# Altium PCB PCB_3U_DAC.PCBDOC (part 9 of 9)
Units mm, origin at the board's own origin, x right, y up, seen from the top; angles counter-clockwise.
Board outline 186.91 x 200.1 mm, 4 copper layers (TopLayer, Internal Plane 2, Signal Layer 1, BottomLayer), stack 1.563 mm thick; 822 components, 563 nets, 2611 pads, 820 vias.
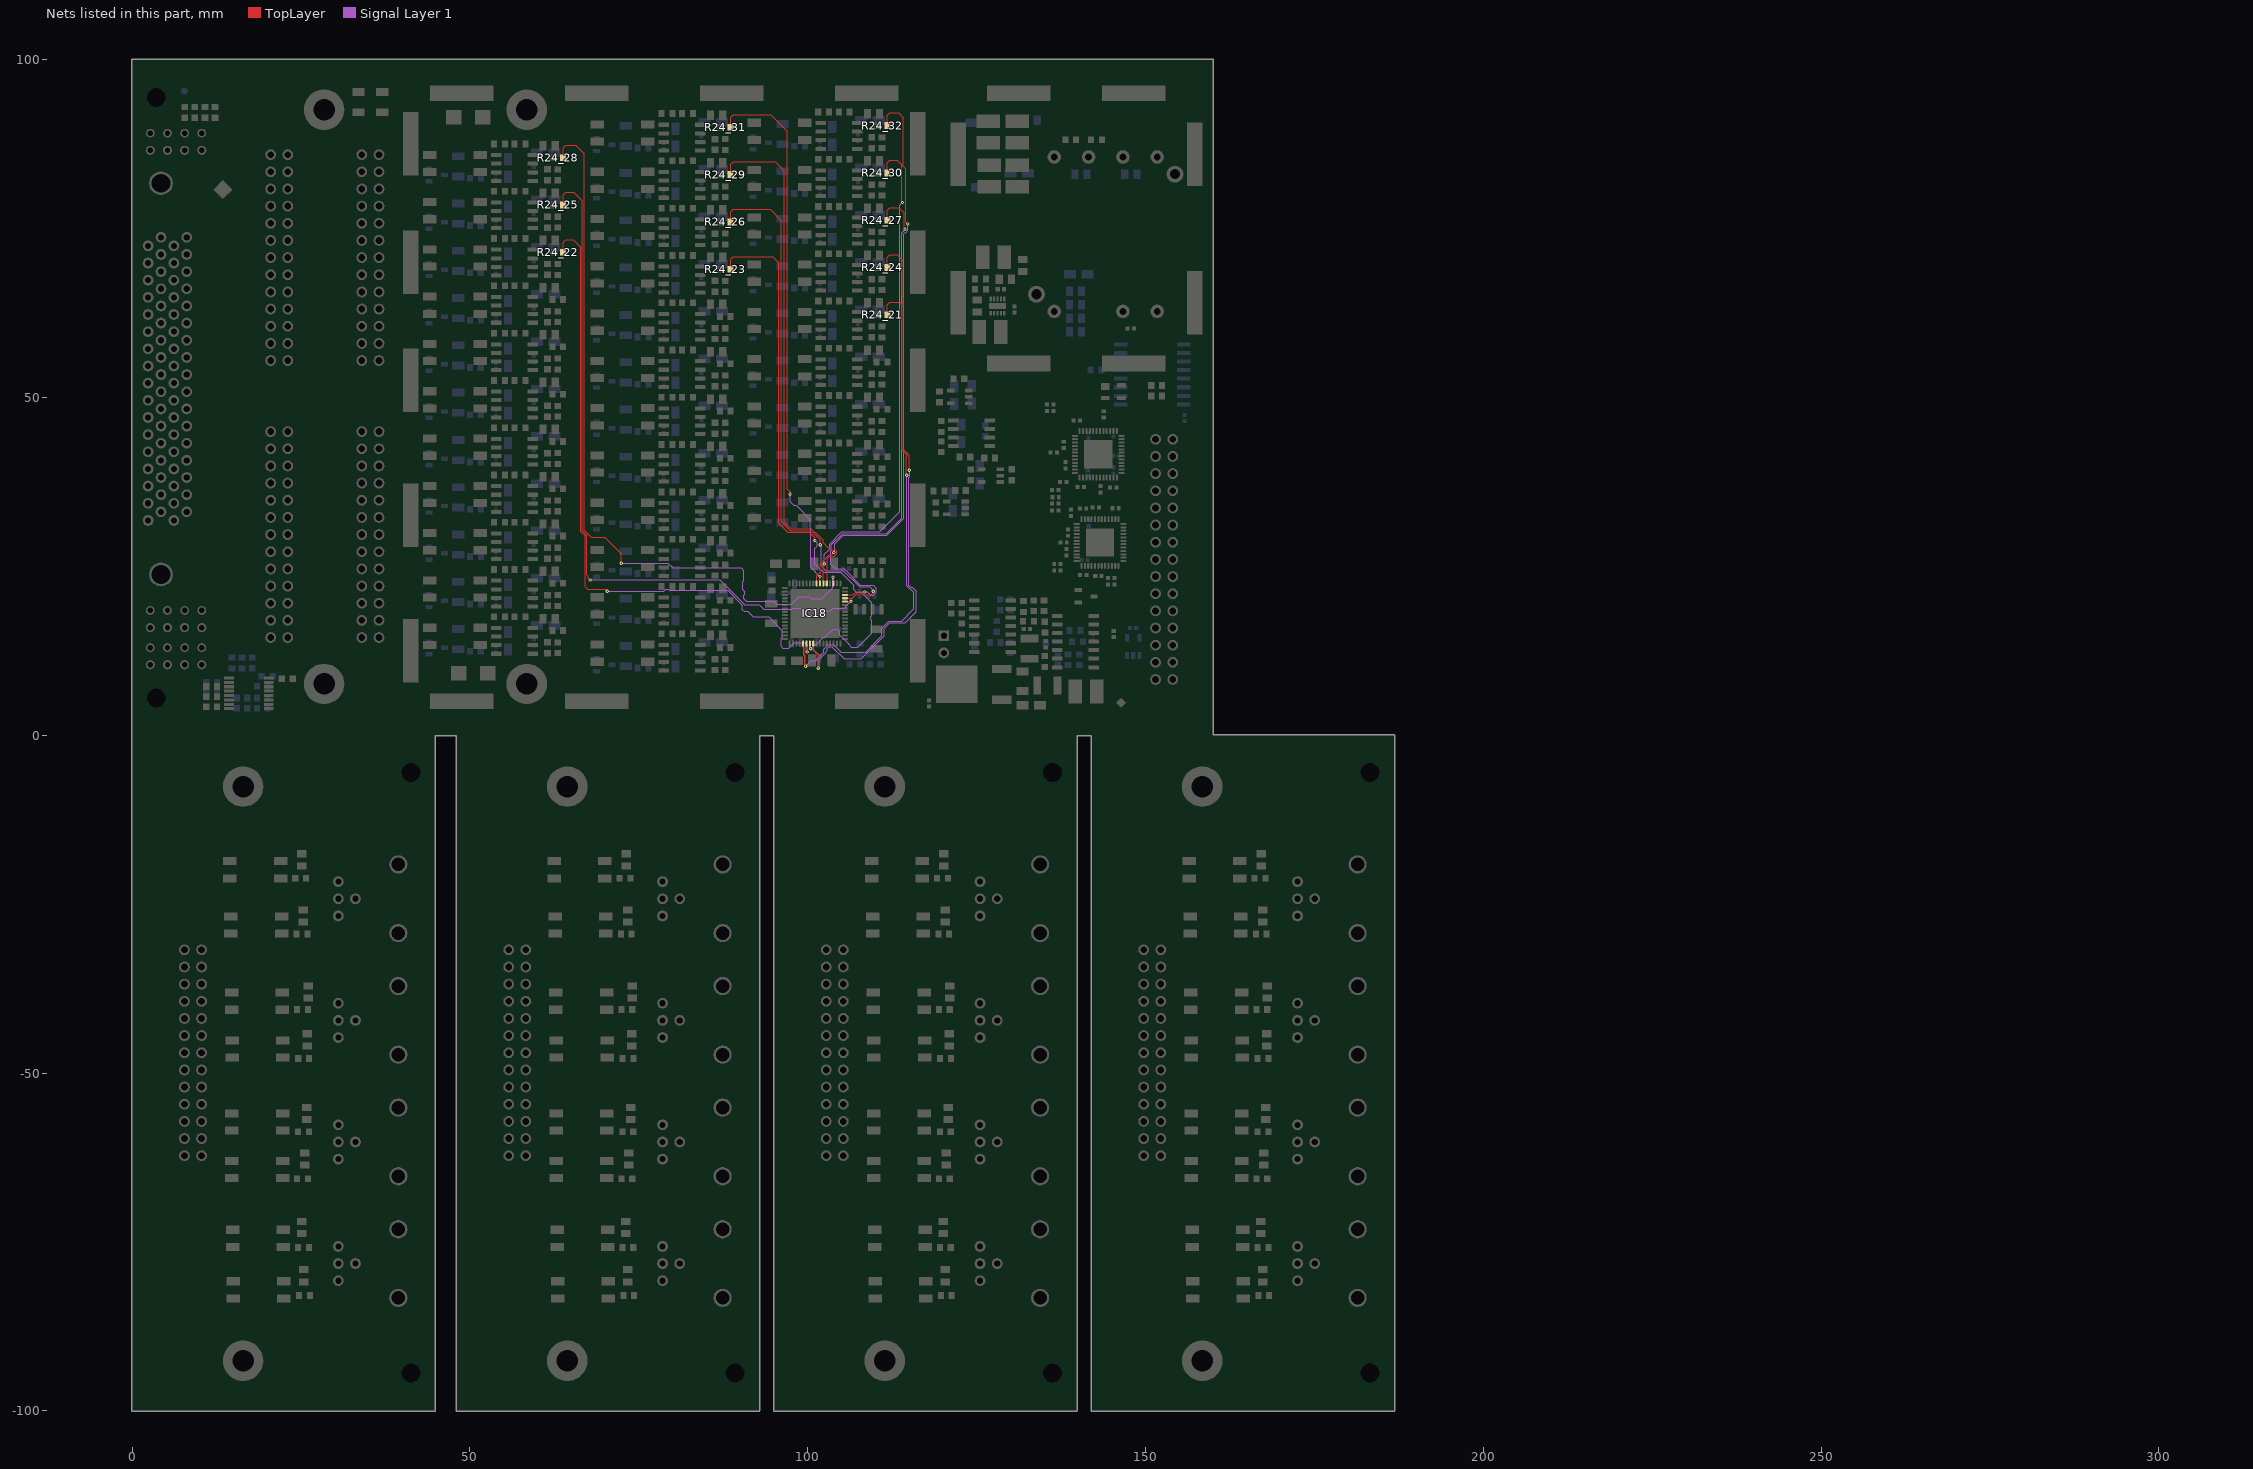
[diagram p11: the nets of this part, all layers, seen from the top]

## Via types
v1: diameter 0.5, hole 0.2, TopLayer to BottomLayer, tented both sides, 685 vias
v2: diameter 0.6, hole 0.3, TopLayer to BottomLayer, tented both sides, 105 vias
v3: diameter 1, hole 0.5, TopLayer to BottomLayer, tented both sides, 21 vias
v4: diameter 1, hole 0.6, TopLayer to BottomLayer, tented both sides, 9 vias

## Nets (pads, with @x,y where several pads share a name; then routed paths per layer and width w, separated by ;. In a path a pad name is that pad's centre, name@x,y a point inside that pad or via, vN(x,y) a via of type N, cw(c..) or ccw(c..) an arc to the next point about the centre after c; other vN are vias at no path point) (continued)
VOUT21: IC18.37 R24_21.1 | length 74.8
  TopLayer w0.127: R24_21.1@111.792,62.244 111.792,63.745 112.166,64.119 ; 112.166,64.119 113.649,64.119 113.89,63.878 113.89,42.262 114.652,41.5 114.652,41.217 114.592,41.157 114.592,38.538 v1(114.652,38.478)
  TopLayer w0.203: IC18.37@99.313,13.581 99.313,13.128 99.387,13.054 99.418,13.022 99.418,12.626 99.396,12.604 99.396,11.924 99.554,11.766 99.554,10.361 v1(99.677,10.239)
  Signal Layer 1 w0.127: v1(99.677,10.239) 100.484,11.046 101.134,11.046 102.392,12.304 102.392,12.723 103.061,13.392 103.837,13.392 104.935,12.293 108.555,12.293 110.969,14.707 110.969,15.872 111.985,16.888 113.89,16.888 115.727,18.726 115.727,21.135 115.207,21.655 115.126,21.655 114.652,22.129 v1(114.652,38.478)
VOUT22: IC18.38 R24_22.1 | length 97.3
  TopLayer w0.127: R24_22.1@63.792,71.494 63.792,72.995 64.166,73.369 65.283,73.369 66.392,72.26 66.392,30.159 67.027,29.524 67.027,21.968 67.408,21.587 70.075,21.587 v1(70.329,21.333) ; IC18.38@99.813,13.581 99.813,12.296 99.84,12.323 v1(99.912,12.323)
  Signal Layer 1 w0.127: v1(70.329,21.333) 78.689,21.333 79.004,21.649 79.369,21.649 79.63,21.388 79.68,21.438 88.135,21.438 90.335,19.238 90.335,18.611 90.593,18.353 91.101,18.353 91.931,17.523 94.205,17.523 96.237,15.491 96.237,14.48 96.05,14.294 96.05,13.172 96.308,12.913 97.2,12.913 98,13.713 99.539,13.713 99.912,13.34 v1(99.912,12.323) v1@99.793,12.442
VOUT23: IC18.39 R24_23.1 | length 87.5
  TopLayer w0.127: R24_23.1@88.592,68.994 88.592,70.495 88.966,70.869 94.834,70.869 95.729,69.974 95.729,31.366 97.043,30.052 100.207,30.052 100.711,29.548 100.849,29.548 101.063,29.334 v1(101.063,28.826)
  TopLayer w0.203: IC18.39@100.313,13.581 100.313,12.709 v1(100.428,12.824)
  Signal Layer 1 w0.127: v1(100.428,12.824) 100.995,13.392 101.231,13.392 102.247,14.408 102.463,14.408 103.777,15.722 104.349,15.722 104.753,15.317 104.753,14.837 106.055,13.534 106.055,13.462 106.462,13.055 107.39,13.055 109.445,15.11 109.445,17.072 109.309,17.207 109.309,17.572 109.445,17.707 109.445,19.606 108.285,20.766 108.246,20.766 107.861,21.151 107.214,21.151 106.778,21.587 106.778,22.222 104.873,24.127 102.291,24.127 101.063,25.355 101.063,27.695 101.376,28.009 101.376,28.513 v1(101.063,28.826)
VOUT24: IC18.40 R24_24.1 | length 82.5
  TopLayer w0.127: IC18.40@100.813,13.581 100.868,13.526 100.868,12.596 100.906,12.558 ; R24_24.1@111.792,69.244 111.792,70.745 112.166,71.119 ; 112.166,71.119 113.253,71.119 114.017,70.355 114.017,64.894 114.144,64.767 114.144,42.367 115.033,41.478 v1(115.033,39.24)
  TopLayer w0.203: 100.906,12.558 101.245,12.219 101.287,12.219 101.684,11.822 101.684,10.044 101.584,9.945 v1(101.535,9.945)
  Signal Layer 1 w0.127: v1(101.535,9.945) 101.535,11.088 102.646,12.199 102.646,12.316 102.908,12.578 102.908,12.88 103.166,13.138 103.531,13.138 105.368,11.3 107.921,11.3 111.35,14.729 111.35,15.872 112.112,16.634 114.398,16.634 116.049,18.285 116.049,21.333 115.473,21.909 115.231,21.909 114.973,22.167 114.973,38.177 115.092,38.296 115.092,39.181 v1(115.033,39.24)
VOUT25: IC18.60 R24_25.1 | length 103.7
  TopLayer w0.127: R24_25.1@63.792,78.494 63.792,79.995 64.166,80.369 65.395,80.369 66.646,79.118 66.646,30.264 67.281,29.629 67.281,23.746 67.535,23.492 67.535,23.238 v1(67.789,22.984) ; IC18.60@105.513,19.781 106.369,19.781 v1(106.397,19.809)
  Signal Layer 1 w0.127: v1(67.789,22.984) 86.995,22.984 90.683,19.297 92.814,19.297 93.457,18.653 97.617,18.653 97.757,18.793 101.593,18.793 101.986,18.399 103.332,18.399 103.726,18.793 105.381,18.793 v1(106.397,19.809)
VOUT26: IC18.61 R24_26.1 | length 79.6
  TopLayer w0.127: R24_26.1@88.592,75.994 88.592,77.495 88.966,77.869 94.438,77.869 96.11,76.197 96.11,31.642 97.445,30.306 100.378,30.306 100.883,29.802 100.954,29.802 101.825,28.931 v1(101.825,28.191) ; IC18.61@105.513,20.281 106.615,20.281 107.286,20.952 108.06,20.952 108.246,20.766 109.385,20.766 109.699,21.079 v1(109.699,21.333)
  Signal Layer 1 w0.127: v1(101.825,28.191) 102.019,27.997 102.019,25.062 102.7,24.381 105.275,24.381 107.688,21.968 109.191,21.968 109.826,21.333 v1(109.699,21.333)
VOUT27: IC18.62 R24_27.1 | length 78.9
  TopLayer w0.127: IC18.62@105.513,20.781 106.755,20.781 107.18,21.206 v1(108.429,21.206) ; R24_27.1@111.792,76.244 111.792,77.745 112.166,78.119 ; 112.166,78.119 113.492,78.119 114.271,77.34 114.271,75.054 v1(114.398,74.927)
  Signal Layer 1 w0.127: v1(108.429,21.206) 108.831,21.206 109.339,20.698 109.686,20.698 110.139,21.151 110.139,21.782 109.699,22.222 107.794,22.222 105.381,24.635 104.111,24.635 103.416,25.33 103.416,27.231 103.476,27.29 103.476,28.169 105.148,29.842 111.604,29.842 113.89,32.128 113.89,74.419 v1(114.398,74.927)
VOUT28: IC18.3 R24_28.1 | length 109.7
  TopLayer w0.127: R24_28.1@63.792,85.494 63.792,86.995 64.166,87.369 65.634,87.369 66.9,86.103 66.9,30.369 67.935,29.334 69.954,29.334 72.415,26.873 v1(72.415,25.451) ; v1(103.73,23.365) 103.813,23.282 IC18.3@103.813,22.481
  Signal Layer 1 w0.127: v1@72.415,25.448 79.294,25.448 79.981,24.762 90.141,24.762 90.522,24.381 90.522,22.845 90.397,22.721 90.397,21.573 90.708,21.262 90.708,20.897 90.534,20.723 90.534,20.2 90.904,19.83 94.942,19.83 95.403,19.369 97.578,19.369 98.71,20.501 100.24,20.501 100.551,20.19 102.079,20.19 103.73,21.841 v1(103.73,23.365)
VOUT29: IC18.5 R24_29.1 | length 77.6
  TopLayer w0.127: R24_29.1@88.592,82.994 88.592,84.495 88.966,84.869 95.185,84.869 96.491,83.563 96.491,31.62 97.507,30.604 100.44,30.604 100.988,30.056 101.103,30.056 102.273,28.886 102.273,28.517 103.301,27.489 104.039,27.489 104.297,27.231 104.297,26.866 103.919,26.488 103.256,26.488 102.9,26.132 102.9,22.569 IC18.5@102.813,22.481
VOUT30: IC18.6 R24_30.1 | length 74.2
  TopLayer w0.127: IC18.6@102.333,22.501 IC18.6@102.313,22.481 102.313,25.25 v1(102.46,25.397) ; R24_30.1@111.792,83.244 111.792,84.745 112.166,85.119 113.223,85.119 113.89,84.452 113.89,78.991 v1(114.017,78.864)
  Signal Layer 1 w0.127: v1(102.46,25.397) 102.46,26.794 103.222,27.556 103.222,28.275 105.043,30.096 110.67,30.096 113.636,33.062 113.636,78.483 v1(114.017,78.864)
VOUT31: IC18.7 R24_31.1 | length 80.2
  TopLayer w0.127: R24_31.1@88.592,89.994 88.592,91.495 88.966,91.869 94.535,91.869 96.999,89.405 96.999,36.446 97.38,36.065 v1(97.38,35.684) ; IC18.7@101.813,22.481 v1(101.813,23.492)
  Signal Layer 1 w0.127: v1(97.38,35.684) 97.38,34.547 97.899,34.027 98.275,34.027 100.368,31.934 100.368,30.676 100.453,30.591 100.453,24.852 v1(101.813,23.492)
VOUT32: IC18.8 R24_32.1 | length 83.3
  TopLayer w0.127: IC18.8@101.313,22.481 101.313,23.615 101.676,23.978 101.825,23.978 101.825,25.416 103.15,26.742 103.528,26.742 103.835,27.048 v1(103.857,27.048) ; R24_32.1@111.792,90.244 111.792,91.745 112.166,92.119 113.462,92.119 114.144,91.437 114.144,84.198 114.525,83.817 114.525,75.943 v1(114.779,75.689)
  Signal Layer 1 w0.127: v1(103.857,27.048) 103.984,27.175 103.984,28.318 105.254,29.588 111.709,29.588 114.211,32.09 114.211,74.211 114.487,74.487 114.58,74.487 114.838,74.745 114.838,75.63 v1(114.779,75.689)
pads on no net: FTG1.FTG2 FTG2.1 FTG3.1 FTG4.1 IC1.8 IC1.9 IC2_1.1 IC2_1.5 IC2_1.8 IC2_2.1 IC2_2.5 IC2_2.8 IC2_3.1 IC2_3.5 IC2_3.8 IC2_4.1 IC2_4.5 IC2_4.8 IC2_5.1 IC2_5.5 IC2_5.8 IC2_6.1 IC2_6.5 IC2_6.8 IC2_7.1 IC2_7.5 IC2_7.8 IC2_8.1 IC2_8.5 IC2_8.8 IC2_9.1 IC2_9.5 IC2_9.8 IC2_10.1 IC2_10.5 IC2_10.8 IC2_11.1 IC2_11.5 IC2_11.8 IC2_12.1 IC2_12.5 IC2_12.8 IC2_13.1 IC2_13.5 IC2_13.8 IC2_14.1 IC2_14.5 IC2_14.8 IC2_15.1 IC2_15.5 IC2_15.8 IC2_16.1 IC2_16.5 IC2_16.8 IC2_17.1 IC2_17.5 IC2_17.8 IC2_18.1 IC2_18.5 IC2_18.8 IC2_19.1 IC2_19.5 IC2_19.8 IC2_20.1 IC2_20.5 IC2_20.8 IC2_21.1 IC2_21.5 IC2_21.8 IC2_22.1 IC2_22.5 IC2_22.8 IC2_23.1 IC2_23.5 IC2_23.8 IC2_24.1 IC2_24.5 IC2_24.8 IC2_25.1 IC2_25.5 IC2_25.8 IC2_26.1 IC2_26.5 IC2_26.8 IC2_27.1 IC2_27.5 IC2_27.8 IC2_28.1 IC2_28.5 IC2_28.8 IC2_29.1 IC2_29.5 IC2_29.8 IC2_30.1 IC2_30.5 IC2_30.8 IC2_31.1 IC2_31.5 IC2_31.8 IC2_32.1 IC2_32.5 IC2_32.8 IC3.1 IC3.5 IC3.7 IC3.8 IC8.17 IC8.25 IC8.29 IC8.32 IC8.35 IC8.44 IC9.17 IC9.25 IC9.29 IC9.32 IC9.35 IC9.44 IC13.6 IC13.7 IC13.9 IC13.11 IC13.13 IC18.9 IC18.10 IC18.11 IC18.12 IC18.13 IC18.14 IC18.15 IC18.19 IC18.20 IC23.9 IC32.5 IC35.4 IC35.7 J6_1.6 J6_1.7 J6_2.6 J6_2.7 J6_3.6 J6_3.7 J6_4.6 J6_4.7 J8_1.6 J8_1.7 J8_2.6 J8_2.7 J8_3.6 J8_3.7 J8_4.6 J8_4.7 J9_1.6 J9_1.7 J9_2.6 J9_2.7 J9_3.6 J9_3.7 J9_4.6 J9_4.7 J10_1.6 J10_1.7 J10_2.6 J10_2.7 J10_3.6 J10_3.7 J10_4.6 J10_4.7
copper on no net: | length 0.1
  Signal Layer 1 w0.203: 127.352,34.981 127.352,35.049

## Polygon pours and split planes (outlines as drawn)
GNDP_2 on Signal Layer 1 "L3-No Net" (solid, remove dead copper, shelved, pour order 8): 278,100.25 310,100.25 309.809,100.059 309.809,0.5 278.25,0.5 278,0.25
GND on Signal Layer 1 "L3-No Net" (solid, remove dead copper, pour order 0): -2.25,102 0,99.75 159.745,99.75 160,0.005 0.75,0
GNDP_2 on Signal Layer 1 "L3-No Net" (solid, remove dead copper, pour order 44): 44.809,0 44.809,-100 0,-100 0,0
GNDP_4 on Signal Layer 1 "L3-No Net" (solid, remove dead copper, pour order 58): 92.809,0 92.809,-100 48,-100 48,0
GNDP_1 on Signal Layer 1 "L3-No Net" (solid, remove dead copper, pour order 64): 139.809,0 139.809,-100 95,-100 95,0
GNDP_3 on Signal Layer 1 "L3-No Net" (solid, remove dead copper, pour order 70): 186.809,0 186.809,-100 142,-100 142,0
GND on BottomLayer "L3-No Net" (solid, remove dead copper, pour order 40): 0,100 0,0 0.003,0.003 159.997,0.003 159.997,100.497 160,100.5 159.5,100 0,100
N13V0_SCSI on BottomLayer "L3-No Net" (solid, remove dead copper, pour order 38): 21.5,87 21.5,85 21,84.5 20.5,84 19.5,84 19.5,82.5 19.5,55 19,54.5 18.5,54 17.5,54 11.5,54 11.5,55.5 18,55.5 18,86 19,87
N13V0_SCSI on BottomLayer "L3-No Net" (solid, remove dead copper, pour order 36): 35,86.5 35,85 34.091,85 33.5,84.409 33.5,82.5 33.5,52.5 34.5,51.5 34.5,50.5 34.5,49.874 34.374,50 31.5,50 31.5,84.5 32.5,85.5 33.788,86.788 34.835,86.788
P13V0_SCSI on BottomLayer "L3-No Net" (solid, remove dead copper, pour order 34): 8,54.699 8.468,54.231 14,54.231 23.694,54.231 24.963,55.5 24.963,58.5 24.963,83.537 24,84.5 22,84.5 22,87 27,87 28.695,87 30.195,88.5 30.695,89 36,89 38.212,89 38.462,88.75 38.5,88.712 38.5,87.254 38.5,85 35.5,85 35.5,86.949 35.33,86.779 33,86.779 33,86.748 30.5,84.248 30,83.748 30,81.5 30,49.5 38,49.5 38,44.107 37.893,44 35.5,44 35.5,47.5 25,47.5 25,44.015 24.928,43.943 22,43.943 22,50.539 20.5,52.039 20.5,52.228 8.272,52.228 8,52.5
P12V0 on BottomLayer "L3-No Net" (solid, remove dead copper, pour order 32): 153,11.935 156,11.935 156.827,12.762 156.827,67.673 156,68.5 155.5,69 145,69 132.5,69 131.5,70 131.5,72 131.5,73.5 132,74 132.5,74.5 137,74.5 160,74.5 160.5,75 160,74.5 160,11 159,10 158.5,9.5 153.028,9.5 152.917,9.61 153,9.693
N12V0A on BottomLayer "L3-No Net" (solid, remove dead copper, pour order 30): 123,50.5 123,48.5 121,46.5 118.5,44 118.5,41 118.5,33.015 117,31.515 115.073,29.588 111,29.588 102.747,29.588 102.159,29 102.121,29.037 97,29.037 92.037,29.037 91,28 91,26 91,12.155 89.984,11.139 83.345,4.5 79.5,4.5 67,4.5 62.5,4.5 42,4.5 41,5.5 39.5,7 39.5,9.5 39.5,82.388 39.388,82.5 44.5,82.5 44.5,80.5 42.5,80.5 42.5,10.824 42.268,10.591 53.571,10.591 55,12.021 55.253,12.274 63.5,12.274 64.5,12.274 64.5,23.555 64.5,87 68,87 67.91,86.91 67.91,81 67.91,8.59 68,8.5 68.052,8.552 78,8.552 82.704,8.552 83.652,9.5 88.5,14.348 88.5,16.5 88.5,86 89,86.5 89.5,87 91.046,87 91.046,86.954 91.5,86.5 91.5,83.5 91.5,30 96.5,30 100.879,30 102,31.121 102.379,31.5 107.5,31.5 112.5,31.5 113.5,32.5 114.211,33.211 114.211,35 114.211,43.211 115,44 120.5,49.5 120.5,50 120.5,50.5 123,50.5
P12V0A on BottomLayer "L3-No Net" (solid, remove dead copper, pour order 28): 121,45 127,45 127,56 117,56 116,57 116,94 66,94 65,93 60.584,88.584 60,88.584 57.416,88.584 55,91 54,92 53,92 53,91 56,88 58,88 62,88 60,88 60,15 64,15 64,89 67,92 73,92 85,92 85,77 85,14 85.177,14.177 88.5,14.177 88.5,92 107,92 107,34.401 107.072,34.329 107.401,34 114.017,34 114.017,43.017 116,45 119,48 119,49 120,50 123,50 120,50 120,51 125,51 125,48 123,48 121,46
P3V3 on BottomLayer "L3-No Net" (solid, remove dead copper, pour order 26): 140,53 145,53 145,48.27 145.27,48 148.699,48 148.699,21 137,21 137,24 138,25 138,53 140,53
GNDP_2 on BottomLayer "L3-No Net" (solid, remove dead copper, shelved, pour order 16): 278.107,100.5 278.357,100.25 309.857,100.25 309.857,0 310.107,-0.25 309.857,0 278.107,0
GNDP_2 on BottomLayer "L3-No Net" (solid, remove dead copper, pour order 48): 44.809,0 44.809,-100 0,-100 0,0
GNDP_4 on BottomLayer "L3-No Net" (solid, remove dead copper, pour order 60): 92.809,0 92.809,-100 48,-100 48,0
GNDP_1 on BottomLayer "L3-No Net" (solid, remove dead copper, pour order 66): 139.809,0 139.809,-100 95,-100 95,0
GNDP_3 on BottomLayer "L3-No Net" (solid, remove dead copper, pour order 72): 186.809,0 186.809,-100 142,-100 142,0
GND on TopLayer "L3-No Net" (solid, remove dead copper, pour order 42): 0,100 160,100 159.997,99.997 159.997,0.003 0.003,0.003 0,0
GNDP_2 on TopLayer "L3-No Net" (solid, remove dead copper, shelved, pour order 24): 278.25,99.75 309.809,99.75 310.059,100 310.25,99.809 310.25,-0.5 277.75,-0.5
GNDP_2 on TopLayer "L3-No Net" (solid, remove dead copper, pour order 50): 44.809,0 44.809,-100 0,-100 0,0
GNDP_4 on TopLayer "L3-No Net" (solid, remove dead copper, pour order 62): 92.809,0 92.809,-100 48,-100 48,0
GNDP_1 on TopLayer "L3-No Net" (solid, remove dead copper, pour order 68): 139.809,0 139.809,-100 95,-100 95,0
GNDP_3 on TopLayer "L3-No Net" (solid, remove dead copper, pour order 74): 186.809,0 186.809,-100 142,-100 142,0
GND on Internal Plane 2 (split plane): 186.349,-99.54 142.46,-99.54 142.46,-0.502 156.998,-0.502 157.02,-0.5 159.997,-0.5 160.095,-0.491 160.189,-0.462 160.193,-0.46 186.349,-0.46
GNDP_1 on Internal Plane 2 (split plane): 139.349,-99.54 95.46,-99.54 95.46,-0.502 139.349,-0.502
GNDP_4 on Internal Plane 2 (split plane): 92.349,-99.54 48.46,-99.54 48.46,-0.502 92.349,-0.502
GND on Internal Plane 2 (split plane): 159.54,50.012 159.538,49.991 159.535,0.505 157,0.505 156.978,0.502 0.46,0.502 0.46,99.54 118.5,99.54 118.5,59 126,51.5 141,51.5 141,52.5 126,52.5 119.5,59 119.5,99.54 159.54,99.54
GND on Internal Plane 2 (split plane): 44.349,-99.54 0.46,-99.54 0.46,-0.502 44.349,-0.502

## Keep-outs
KeepOutLayer:
  lines w0.203: 1,8.103 1,91.923 6.096,91.923 6.096,97.003 159,97.003 159,3.023 6.096,3.023 6.096,8.103 1,8.103 ; 4,-97.003 4,-3.023 38.713,-3.023 38.713,-8.103 43.158,-8.103 43.158,-91.923 38.713,-91.923 38.713,-97.003 4,-97.003 ; 52,-97.003 86.713,-97.003 86.713,-91.923 91.158,-91.923 91.158,-8.103 86.713,-8.103 86.713,-3.023 52,-3.023 52,-97.003 ; 99,-97.003 133.713,-97.003 133.713,-91.923 138.158,-91.923 138.158,-8.103 133.713,-8.103 133.713,-3.023 99,-3.023 99,-97.003 ; 146,-97.003 180.713,-97.003 180.713,-91.923 185.158,-91.923 185.158,-8.103 180.713,-8.103 180.713,-3.023 146,-3.023 146,-97.003

## Other copper
TopLayer:
  pour cut-out: 119.5,100 119.5,59 126,52.5 141,52.5 141,51.5 126,51.5 118.5,59 118.5,100
Signal Layer 1:
  pour cut-out: 119.5,100 119.5,59 126,52.5 141,52.5 141,51.5 126,51.5 118.5,59 118.5,100
BottomLayer:
  pour cut-out: 119.5,100 119.5,59 126,52.5 141,52.5 141,51.5 126,51.5 118.5,59 118.5,100
Internal Plane 2 (plane layer: these items are gaps in the copper):
  pour cut-out: 119.5,100 119.5,59 126,52.5 141,52.5 141,51.5 126,51.5 118.5,59 118.5,100
  lines w1: -0.05,0 156.998,0 157,0.002 159.997,0.002 160.045,0.05

## Silkscreen, mask and mechanical layers (free items; w line width, h text height)
TopOverlay:
  drawing of 1233 lines, arcs and shapes, not listed
  text "+12V" at 156.24,91.325 h1.02
  text "DAC OUT 17-24" at 30.48,57.404 h2.03 r90
  text "DAC OUT 25-32" at 17.018,55.626 h2.03 r90
  text "-15V" at 119.5,53.5 h1.27
  text "+15V" at 127.327,50.776 h1.27
  text "+3.3V" at 136.119,50.343 h1.02
  text "+14V" at 114.5,46 h1.27
  text "VSS" at 118.888,38.697 h1.27
  text "PCB 3U DAC rev1.0" at 12.954,32.512 h2.03 r90
  text "VDD" at 118.5,30.5 h1.27
  text "+15V" at 130.678,29.64 h1.27
  text "heater" at 117.941,18.044 h1 r90
  text "DAC OUT 9-16" at 30.578,17.526 h2.03 r90
  text "DAC OUT 1-8" at 17.018,15.748 h2.03 r90
  text "TO KASLI/METLINO VHDCI" at 158.263,15.456 h1.02 r90
  text "WUT ISE 2017" at 98.638,1.431 h1.02
BottomOverlay:
  drawing of 1216 lines, arcs and shapes, not listed
  text "PCB 3U DAC rev1.0" at 14.249,37.567 h2.03 r270
  text "WUT ISE 2017" at 109.788,1.431 h1.02
Mechanical1:
  lines w0.1: 20,0 25,0 ; 126.809,-50.191 126.809,-50 ; 159.995,50 159.995,0.005 160,0 155,0 ; 159.995,100 0,100 0,0 ; 160,50.005 160,60 160,100 ; 0,-52 0,-100 44.809,-100 44.809,0 25,0 ; 0,-52 0,-52 ; 0,-52 0,-42 0,0 ; 0,0 20.25,0 0,0 ; 25,0 70.25,0 ; 70.25,0 75,0 ; 70.25,0 48,0 48,-42 48,-52 48,-100 92.809,-100 92.809,0 75,0 ; 75,0 115.25,0 ; 91.252,16.031 93.273,16.031 93.273,9.031 100.273,9.031 100.273,7.031 91.763,7.031 91.252,7.542 91.252,16.031 ; 91.252,16.031 91.252,16.031 ; 100.263,29.042 100.263,27.021 93.263,27.021 93.263,20.021 91.263,20.021 91.263,28.531 91.773,29.042 100.263,29.042 ; 100.263,29.042 100.263,29.042 ; 105.263,7.01 105.263,9.031 112.263,9.031 112.263,16.031 114.263,16.031 114.263,7.521 113.752,7.01 105.263,7.01 ; 105.263,7.01 105.263,7.01 ; 114.268,20.031 114.268,28.521 113.757,29.031 105.247,29.031 105.247,27.031 112.247,27.031 112.247,20.031 114.268,20.031 ; 114.268,20.031 114.268,20.031 ; 115.25,0 120,0 ; 115.25,0 95,0 95,-42 95,-52 95,-100 139.809,-100 139.809,0 120,0 ; 120,0 150.25,0 ; 150.25,0 155,0 ; 150.25,0 142,0 142,-42 142,-52 142,-100 186.809,-100 186.809,0 155,0
Mechanical4:
  lines w0.508: -2.544,-15.25 -2.544,114.162
  lines w1: 41.263,5.031 41.263,95.031 116.263,95.031 116.263,5.031 41.263,5.031 ; 122.263,55.031 157.263,55.031 157.263,95.031 122.263,95.031 122.263,55.031

## Text inside footprints (layer, text, board x,y; h text height)
J1: TopOverlay "33" at 5.6,76.411 h1 r270; TopOverlay "68" at 3.6,77.011 h1 r270; TopOverlay "67" at 1.85,76.111 h1 r270; TopOverlay "34" at 7.55,77.211 h1 r270; TopOverlay "35" at 1.715,30.361 h1 r270; TopOverlay "2" at 7.615,31.261 h1 r270; TopOverlay "1" at 5.665,30.361 h1 r270; TopOverlay "36" at 3.865,31.261 h1 r270; Mechanical14 "33" at 5.6,76.411 h1.02 r270; Mechanical14 "68" at 3.6,77.011 h1.02 r270; Mechanical14 "67" at 1.85,76.111 h1.02 r270; Mechanical14 "34" at 7.55,77.211 h1.02 r270; Mechanical14 "35" at 1.715,30.361 h1.02 r270; Mechanical14 "2" at 7.615,31.261 h1.02 r270; Mechanical14 "1" at 5.665,30.361 h1.02 r270; Mechanical14 "36" at 3.865,31.261 h1.02 r270; Mechanical8 "PCB Edge" at -0.99,57.081 h1.2 r270
J2_1: TopOverlay "26" at 103.794,-30.275 h1.02 r90; Mechanical14 "26" at 103.794,-30.275 h1.02 r90
J2_2: TopOverlay "26" at 8.794,-30.275 h1.02 r90; Mechanical14 "26" at 8.794,-30.275 h1.02 r90
J2_3: TopOverlay "26" at 150.794,-30.275 h1.02 r90; Mechanical14 "26" at 150.794,-30.275 h1.02 r90
J2_4: TopOverlay "26" at 56.794,-30.275 h1.02 r90; Mechanical14 "26" at 56.794,-30.275 h1.02 r90
J3: TopOverlay "26" at 19.095,44.311 h1.02 r90; Mechanical14 "26" at 19.095,44.311 h1.02 r90
J4: TopOverlay "26" at 32.595,44.311 h1.02 r90; Mechanical14 "26" at 32.595,44.311 h1.02 r90
J5: TopOverlay "26" at 32.595,85.311 h1.02 r90; Mechanical14 "26" at 32.595,85.311 h1.02 r90
J7: TopOverlay "26" at 19.095,85.311 h1.02 r90; Mechanical14 "26" at 19.095,85.311 h1.02 r90
J37: TopOverlay "30" at 155.43,8.886 h1.02 r270; Mechanical14 "30" at 155.43,8.886 h1.02 r270
LD3: TopOverlay "C" at 11.568,86.205 h1; TopOverlay "A" at 11.568,88.745 h1; TopOverlay "D" at 9.517,87.525 h1 r90; TopOverlay "C" at 6.977,87.525 h1 r90; TopOverlay "B" at 4.437,87.525 h1 r90; TopOverlay "A" at 1.897,87.525 h1 r90; Mechanical14 "A" at 11.568,88.745 h1; Mechanical14 "C" at 11.568,86.205 h1; Mechanical14 "D" at 9.517,87.525 h1 r90; Mechanical14 "C" at 6.977,87.525 h1 r90; Mechanical14 "B" at 4.437,87.525 h1 r90; Mechanical14 "A" at 1.897,87.525 h1 r90
LD4: TopOverlay "C" at 11.568,15.555 h1; TopOverlay "A" at 11.568,18.095 h1; TopOverlay "A" at 1.897,16.875 h1 r90; TopOverlay "B" at 4.437,16.875 h1 r90; TopOverlay "C" at 6.977,16.875 h1 r90; TopOverlay "D" at 9.517,16.875 h1 r90; Mechanical14 "A" at 11.568,18.095 h1; Mechanical14 "C" at 11.568,15.555 h1; Mechanical14 "A" at 1.897,16.875 h1 r90; Mechanical14 "B" at 4.437,16.875 h1 r90; Mechanical14 "C" at 6.977,16.875 h1 r90; Mechanical14 "D" at 9.517,16.875 h1 r90
LD5: TopOverlay "C" at 11.568,10.055 h1; TopOverlay "A" at 11.568,12.595 h1; TopOverlay "A" at 1.897,11.375 h1 r90; TopOverlay "B" at 4.437,11.375 h1 r90; TopOverlay "C" at 6.977,11.375 h1 r90; TopOverlay "D" at 9.517,11.375 h1 r90; Mechanical14 "A" at 11.568,12.595 h1; Mechanical14 "C" at 11.568,10.055 h1; Mechanical14 "A" at 1.897,11.375 h1 r90; Mechanical14 "B" at 4.437,11.375 h1 r90; Mechanical14 "C" at 6.977,11.375 h1 r90; Mechanical14 "D" at 9.517,11.375 h1 r90